# KiCad board Lon6Main.kicad_pcb (continued)
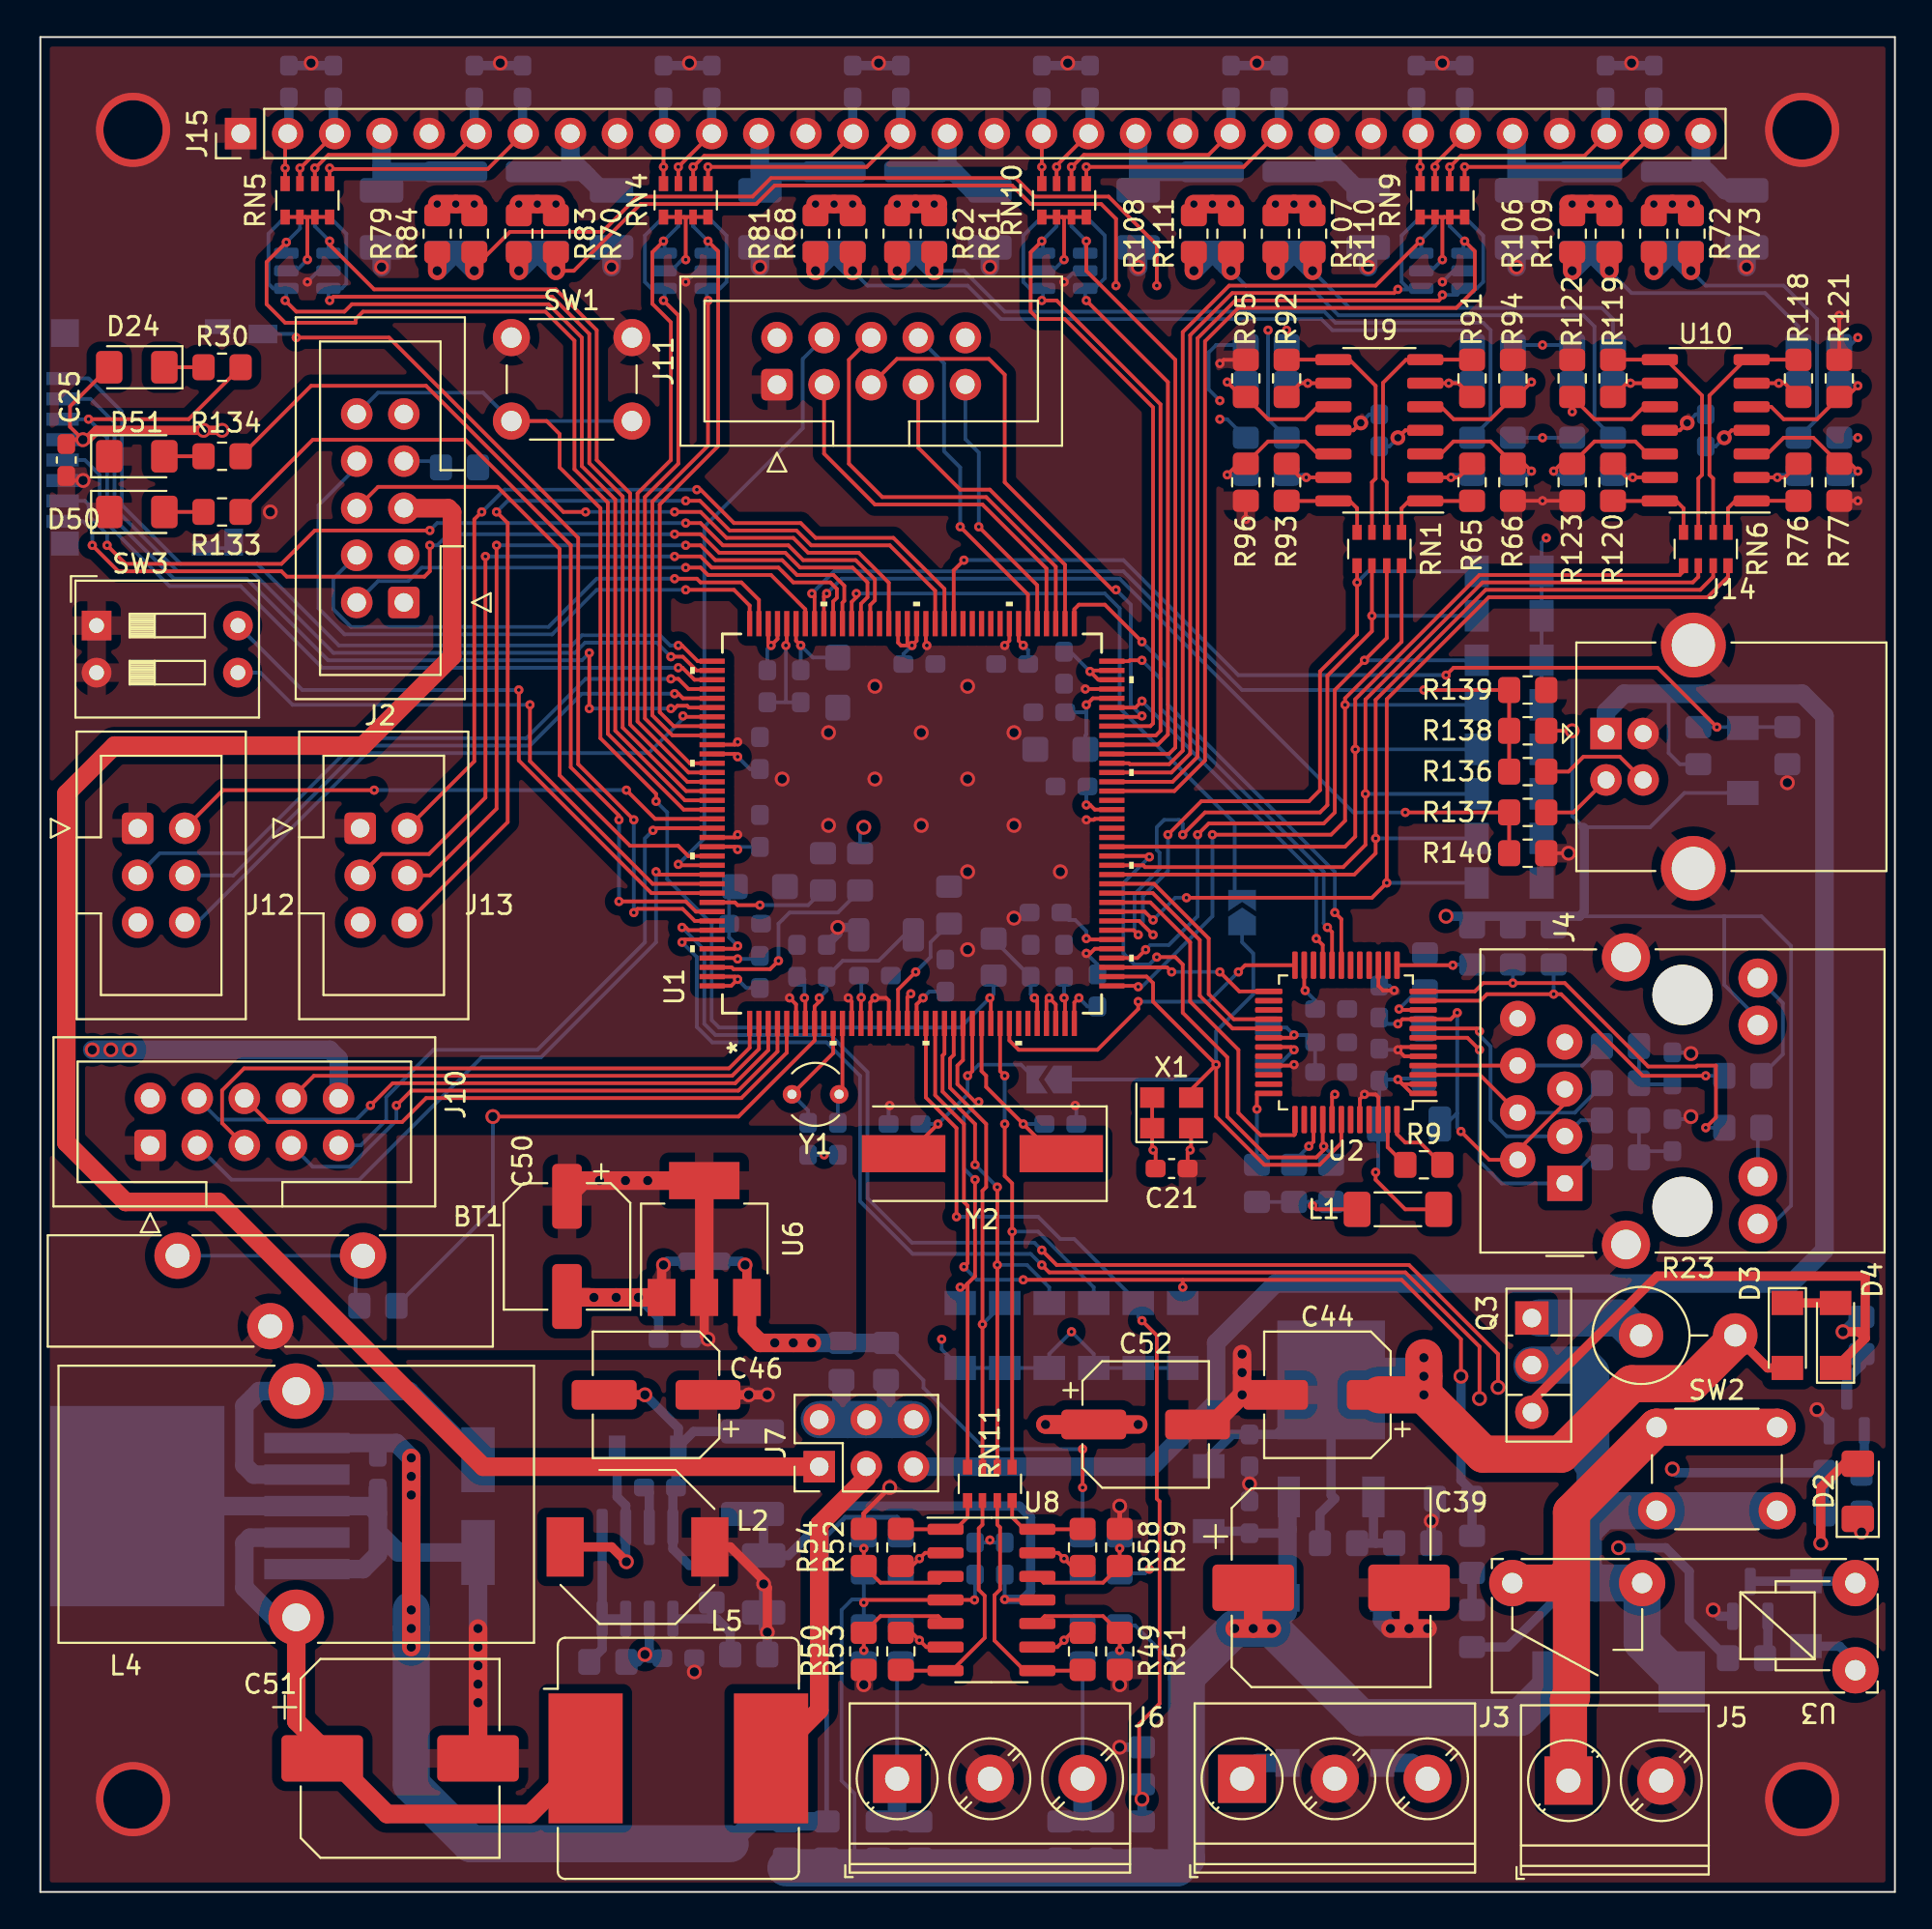
[diagram p0: board, top side]
## Routing (per net, layer and track width the routed paths; a pad name or vN(x,y) marks a point on that pad's centre or on a via; arc(x,y) is an arc through that point) (continued)
/SPI4_U1: length 37.7
  Top w0.2: v1(33.2,55) 33.35,54.85 U1.132
  Bottom w0.2: J10.3 10.31,38.4 17.2,38.4 23.8,45 27,45 33.2,51.2 v1(33.2,55)
/SPI4_U2: length 31.2
  Top w0.2: U1.127 33.15,57.35 v1(33.03,57.23)
  Bottom w0.2: v1(33.03,57.23) 32.6,56.8 32.6,51.2 26.8,45.4 21.2,45.4 18.65,42.85 18.65,41.62 17.28,40.25 J10.9
/SW_DIP_1: length 32.1
  Top w0.2: v1(26.4,64) 26.4,60.97 33.02,54.35 U1.133
  Bottom w0.2: v1(26.4,64) 13.6,64 11.86,65.73 SW3.3
/SW_DIP_2: length 33.8
  Top w0.2: U1.134 32.95,53.85 25.8,61 v1(25.8,64.8)
  Bottom w0.2: v1(25.8,64.8) 14.13,64.8 SW3.4
/TCK: length 29.6
  Top w0.2: U1.107 38.75,69.65 37.8,70.6 35.6,70.6 35.4,70.8 v1(34.2,70.8)
  Bottom w0.2: J2.4 15.8,70.8 15.8,69.15 16.75,68.2 27.4,68.2 30,70.8 v1(34.2,70.8)
/TDI: length 34.6
  Top w0.2: v1(34.8,70.2) 37.4,70.2 38.25,69.35 U1.108
  Bottom w0.2: v1(34.8,70.2) 30,70.2 27.6,67.8 16.4,67.8 15,69.2 15,74.76 17.06,76.82
/TDO: length 35
  Top w0.2: U1.130 34.94,55.85 34.39,56.4 31.8,56.4 28,60.2 28,72.4 24.65,75.75 18.21,75.75 J2.6
/TMS: length 26.7
  Top w0.2: v1(34.8,71.4) 35.6,71.4 36,71 39.4,71 41.25,69.15 U1.102
  Bottom w0.2: v1(34.8,71.4) 20.57,71.4 19.84,70.67 18.21,70.67 J2.2
/USART_RXD: length 43.1
  Top w0.2: v1(34.2,72) 35.6,72 36.2,71.4 39.8,71.4 40.6,70.6 42.6,70.6 42.95,70.25 42.95,69.77 42.75,69.57 U1.99 ; J13.3 18.4,55.95 20.95,55.95 24,59 v1(24,72)
  Bottom w0.2: v1(34.2,72) v1(24,72)
/USART_TXD: length 42.2
  Top w0.2: v1(24.6,72.6) 24.6,58.4 21,54.81 J13.4 ; U1.98 43.25,69.51 43.35,69.61 43.35,70.42 42.77,71 40.8,71 40,71.8 36.4,71.8 35.6,72.6 v1(34.8,72.6)
  Bottom w0.2: v1(34.8,72.6) v1(24.6,72.6)
/USART_U1: length 52.3
  Top w0.2: U1.88 48.25,70.15 45.8,72.6 41.57,72.6 40.77,73.4 37.17,73.4 35.57,75 v1(34.8,75) ; J13.6 25.2,57.68 25.2,73.8 v1(24.6,74.4)
  Bottom w0.2: v1(24.6,74.4) 25.2,75 v1(34.8,75)
/USART_U2: length 48.3
  Top w0.2: J13.2 23.4,60.96 23.4,74 v1(23.8,74.4) ; U1.87 48.75,70.25 46,73 41.8,73 41,73.8 37.4,73.8 35.6,75.6 v1(35.4,75.6)
  Bottom w0.2: v1(23.8,74.4) 23.82,74.4 25.02,75.6 v1(35.4,75.6)
/USB_DM: length 46.2
  Top w0.2: U1.100 42.25,69.85 v1(42.4,70) ; R140.2 R137.2 v1(73.6,58.2)
  Bottom w0.2: v1(42.4,70) 43.2,70.8 58.2,70.8 70.8,58.2 v1(73.6,58.2)
/USB_DP: length 46.8
  Top w0.2: v1(41.6,70) 41.75,69.85 U1.101 ; v1(74.6,64.8) R139.2 R138.1 R136.2
  Bottom w0.2: v1(41.6,70) 42.8,71.2 58.4,71.2 64.8,64.8 v1(74.6,64.8)
/USB_SENSE: length 53.1
  Top w0.2: v1(49.8,71.8) 49.25,71.25 U1.86 ; v1(90.4,62.8) 87.2,66 76.2,66 v1(75.8,65.6)
  Bottom w0.2: v1(49.8,71.8) 58.4,71.8 64.6,65.6 v1(75.8,65.6) ; R141.1 v1(90.4,62.8) R142.2
/V_SENSE_ACU: length 54.4
  Top w0.2: 61.6,33 73.4,33 76.6,29.8 v2(76.6,27.8) ; 61.6,33 v1(61.6,32.6) ; 61.6,33 v1(53,33) ; U1.21 48.25,42.95 49.8,41.4 49.8,37.2 50,37 50,33.9 v1(49.8,33.7)
  Bottom w0.2: D18.2 v1(61.6,32.6) ; v1(53,33) 50.5,33 v1(49.8,33.7)
  Bottom w0.5: v2(76.6,27.8) 76.6,22.2 77.2,21.6 R25.2 R24.1
/V_SENSE_MAIN: length 52.6
  Top w0.2: v1(49.4,36.4) 49.4,41.18 47.75,42.83 U1.20 ; v1(59.4,30.8) 60.2,30 60.2,21.2 60.35,21.05 60.35,10.15 59.25,9.05 59.25,5.15 v2(59.4,5)
  Bottom w0.2: v1(59.4,30.8) 59.2,31 D19.2 55.75,35.2 55,35.2 53.8,36.4 v1(49.4,36.4)
  Bottom w0.5: R26.1 v2(59.4,5) R29.2
/VCAP1: length 5.1
  Top w0.2: v1(56.4,64) 56.75,64.35 U1.68
  Bottom w0.2: C6.1 56.35,62.35 56.4,62.4 56.4,63.6 ; 56.4,63.6 v1(56.4,64) ; 56.4,63.6 C7.1
/VCAP2: length 5
  Top w0.2: v1(37.6,51) 37.45,50.85 U1.140
  Bottom w0.2: v1(37.6,51) 37.14,51.46 C11.1 37.14,53.89 C9.1
/VCAP3: length 4.9
  Top w0.2: v1(41,67.21) 40.75,67.46 U1.103
  Bottom w0.2: C13.1 v1(41,67.21) 41.66,66.55 C12.1
Net-(BT1-Pad1): length 12.8
  Bottom w0.2: 7,34.3 17,34.3 17,31.8 R2.1
Net-(C1-Pad1): length 20.9
  Top w0.2: v1(76.6,41) 78.13,39.47 J4.2 79.66,39.97 82.2,42.51 J4.5 ; v1(73.2,46.8) 73.45,47.05 U2.9 76.05,47.05 v1(76.4,47.4)
  Bottom w0.2: FB1.2 75.8,41.4 76.4,42 ; 76.4,42 76.4,41.2 v1(76.6,41) ; 76.4,42 v1(76.4,47.4) ; v1(73.2,46.8) 72.4,46.8 72.2,47 C1.1
Net-(C3-Pad2): length 6.6
  Top w0.2: Y1.2 42.75,45.22 U1.10
  Bottom w0.2: C3.2 41.4,42.13 Y1.2
Net-(C4-Pad2): length 5.5
  Top w0.2: Y1.1 43.25,43.18 U1.11
  Bottom w0.2: Y1.1 43,42.93 C4.2
Net-(C5-Pad1): length 2.5
  Top w0.2: v1(55.2,48.2) 55.25,48.15 U1.35
  Bottom w0.2: C5.1 v1(55.2,48.2)
Net-(C14-Pad2): length 13.9
  Top w0.2: Y2.2 46.8,39.8 v1(48.4,41.4) ; U1.25 50.25,44.25 v1(50,44)
  Bottom w0.2: C14.2 v1(48.4,41.4) 50,43 v1(50,44) 50.6,44.6 52.88,44.6 JP2.2
Net-(C19-Pad2): length 10.2
  Top w0.2: Y2.1 54.6,39.8 v1(53,41.4) 51,43.4 51,44 50.75,44.25 U1.26
  Bottom w0.2: C19.2 v1(53,41.4)
Net-(C35-Pad2): length 3.8
  Bottom w0.2: R12.1 R11.1 86.26,43.54 C35.2
Net-(C36-Pad2): length 3.9
  Bottom w0.2: R16.1 R15.1 86.54,39.94 C36.2
Net-(C42-Pad1): length 2.2
  Bottom w0.5: C42.1 32.83,21.51 32.83,19.68
Net-(C42-Pad2): length 18.2
  Top w0.5: C46.2 v2(32.6,26.8)
  Bottom w0.5: D8.2 34.28,23.88 34.28,21.8 34.11,21.63 34.11,18.5 35,17.6 R32.2 ; D8.2 34.4,25 v2(32.6,26.8) ; D8.2 35.22,24.83 L3.1
Net-(C45-Pad1): length 32.7
  Top w0.2: v1(56.2,21.8) v1(56.2,23.87)
  Top w0.5: v2(38,33.8) 38.1,33.7 U6.3
  Top w1: v2(41.6,29.6) v2(40.6,29.6) v2(39.6,29.6) 38.8,29.6 38.1,30.3 U6.3
  Bottom w0.2: R41.2 47.62,27.58 47.62,27.18 50.93,23.87 v1(56.2,23.87) ; R48.1 v1(56.2,21.8)
  Bottom w0.5: v2(38,33.8) 37.8,34 C45.1
  Bottom w1: v2(39.6,29.6) R42.2 R41.2
Net-(C47-Pad1): length 72.5
  Top w1: v2(20,13.2) v2(20,23.4)
  Bottom w0.25: R46.1 46.4,20 46.2,20.2 43.4,20.2 42.4,19.2 R39.2
  Bottom w1: U7.1 19.2,24.2 v2(20,23.4) v2(20,22.4) v2(20,21.4) ; R39.2 R40.2 38.4,3.8 37.2,2.6
  Bottom w2: 37.2,2.6 23.2,2.6 20,5.8 v2(20,13.2) v2(20,14.2) v2(20,15.2)
Net-(C51-Pad1): length 34.2
  Top w1: L5.1 26.4,4.2 18.7,4.2 15.7,7.2 C51.1 15.2,7.8 13.8,9.2 L4.2
  Bottom w1: L4.2 12.6,14.8 11,16.4 11,18.8 11.3,19.1 U7.4
Net-(D1-Pad2): length 5.4
  Bottom w0.5: 97.56,16.75 D1.2 92.21,16.75 Q1.3
Net-(D2-Pad1): length 1.8
  Top w0.5: D2.1 98,19.6 v2(98.2,19.4)
  Bottom w0.5: R21.2 v2(98.2,19.4)
Net-(D3-Pad1): length 2.6
  Top w0.5: D4.2 D3.1
Net-(D4-Pad1): length 29.6
  Top w0.5: 98.4,29.85 98.4,33.2 87.18,33.2 80.43,26.45 Q3.3 ; 98.4,29.85 98.05,30.2 v2(97.2,30.2) ; 98.4,29.85 D4.1
  Bottom w0.5: R22.2 98,31 v2(97.2,30.2)
Net-(D5-Pad3): length 2.8
  Bottom w1: J3.3 73.95,6.95 D5.3
Net-(D5-Pad4): length 2.8
  Bottom w1: D5.4 65.65,6.95 J3.1
Net-(D7-Pad2): length 47.5
  Bottom w0.5: 83.83,23 83.83,17.92 79.11,13.2 R57.2
  Bottom w2: D7.2 86.37,13.45 U3.3 83.83,16.65 83.19,17.28 83.19,19.5 84.25,20.55 ; SW2.2 SW2.2 84.25,20.55 ; Q3.2 83.2,28.4 83.6,28 83.6,23.23 83.83,23 83.83,20.97 84.25,20.55
Net-(D8-Pad1): length 10
  Top w0.5: v2(31.6,17.8) 30.8,18.6 L2.1
  Bottom w0.5: D8.1 31.1,21.3 31.56,20.84 31.56,18.03 31.6,18 v2(31.6,17.8)
Net-(D9-Pad1): length 21.2
  Bottom w1: D9.1 19.9,27 L4.1 11.8,27 11,26.2 11,23 11.5,22.5 U7.2
Net-(D24-Pad1): length 2.1
  Top w0.2: R30.1 D24.1
Net-(D50-Pad2): length 2.1
  Top w0.2: R133.1 D50.2
Net-(D51-Pad2): length 2.1
  Top w0.2: R134.1 D51.2
Net-(J2-Pad7): length 2.1
  Bottom w0.2: J2.7 21.26,77.14 R3.1
Net-(J4-PadL2): length 2.7
  Bottom w0.2: R14.2 92.61,41.01 J4.L2
Net-(J4-PadL4): length 6.3
  Bottom w0.2: R13.2 93.96,45.16 93.96,47.92 J4.L4
Net-(J5-Pad1): length 31
  Top w2: J5.1 82.4,10.36 82.56,10.52 82.56,17.28 ; 82.56,17.28 82.56,20.46 SW2.1 SW2.1 ; 82.56,17.28 81.93,16.65 U3.4
Net-(J6-Pad1): length 10.9
  Bottom w0.2: R44.1 46.2,12.17 J6.1
  Bottom w1: R35.1 46.4,3.8 ; 46.4,3.8 R36.1 ; 46.4,3.8 46.2,4 J6.1
Net-(J6-Pad3): length 10.8
  Bottom w0.2: R18.1 J6.3
  Bottom w1: J6.3 56.2,3.8 ; 56.2,3.8 R38.1 ; 56.2,3.8 R37.1
Net-(J7-Pad3): length 17.9
  Top w1: L5.2 42,9.8 42,19.8 44.54,22.34 J7.3
Net-(J14-Pad2): length 3.9
  Top w0.2: J14.2 82.67,58.2 R137.1
Net-(J14-Pad3): length 6.1
  Top w0.2: R136.1 82.4,60.4 83.2,61.2 85.17,61.2 J14.3
Net-(L6-Pad1): length 42.4
  Top w1: R62.1 v2(46.2,87.4) ; R61.1 v2(48.2,87.4)
  Bottom w0.2: R64.1 78.2,79.4 78.2,84.2 77.8,84.6 69.83,84.6 69.23,85.2 52,85.2 49.8,87.4 v2(48.2,87.4)
  Bottom w1: 47.2,88.4 v2(48.2,87.4) ; 47.2,88.4 L6.1 ; 47.2,88.4 v2(46.2,87.4)
Net-(L7-Pad1): length 19.6
  Top w1: R73.1 v2(89,87.4) ; R72.1 v2(87,87.4)
  Bottom w0.2: v2(89,87.4) 89.8,86.6 94,86.6 95.8,84.8 95.8,79.4 R75.1
  Bottom w1: 88,88.4 v2(87,87.4) ; 88,88.4 v2(89,87.4) ; 88,88.4 L7.1
Net-(L8-Pad1): length 40.3
  Top w1: R68.1 v2(43.8,87.4) ; R81.1 v2(41.8,87.4)
  Bottom w0.2: R86.1 77.2,84 77,84.2 69.67,84.2 69.07,84.8 51.8,84.8 50,86.6 44.6,86.6 v2(43.8,87.4)
  Bottom w1: 42.8,88.4 v2(43.8,87.4) ; 42.8,88.4 v2(41.8,87.4) ; 42.8,88.4 L8.1
Net-(L9-Pad1): length 52.8
  Top w0.2: v1(58,86.6) 58,90.2 57.2,91 53.4,91 52.4,92 39.6,92 38.6,91 32.37,91 28.77,87.4 v2(27.8,87.4)
  Top w1: R83.1 v2(25.8,87.4) ; R70.1 v2(27.8,87.4)
  In1.Cu w0.2: v1(67.2,84.2) 66.65,83.65 60.95,83.65 v1(58,86.6)
  Bottom w0.2: R88.1 v1(67.2,84.2)
  Bottom w1: L9.1 26.8,88.4 ; 26.8,88.4 v2(27.8,87.4) ; 26.8,88.4 v2(25.8,87.4)
Net-(L10-Pad1): length 60.8
  Top w0.2: v2(23.4,87.4) 23.4,87.58 25.32,89.5 30.3,89.5 32.2,91.4 38.4,91.4 39.4,92.4 52.6,92.4 53.6,91.4 57.6,91.4 60.2,88.8 v1(60.2,86.6)
  Top w1: R84.1 v2(23.4,87.4) ; R79.1 v2(21.4,87.4)
  In1.Cu w0.2: v1(60.2,86.6) 62.6,84.2 v1(66.2,84.2)
  Bottom w0.2: R90.1 66.2,79.4 v1(66.2,84.2)
  Bottom w1: L10.1 22.4,88.4 ; 22.4,88.4 v2(21.4,87.4) ; 22.4,88.4 v2(23.4,87.4)
Net-(L11-Pad1): length 17.3
  Top w1: R109.1 v2(84.6,87.4) ; R106.1 v2(82.6,87.4)
  Bottom w0.2: v2(84.6,87.4) 85.8,86.2 93,86.2 94.8,84.4 R113.1
  Bottom w1: 83.6,88.4 v2(82.6,87.4) ; 83.6,88.4 v2(84.6,87.4) ; 83.6,88.4 L11.1
Net-(L12-Pad1): length 23.6
  Top w1: R110.1 v2(68.6,87.4) ; R107.1 v2(66.6,87.4)
  Bottom w0.2: R115.1 84.8,84.8 84.2,85.4 70.6,85.4 v2(68.6,87.4)
  Bottom w1: 67.6,88.4 v2(66.6,87.4) ; 67.6,88.4 L12.1 ; 67.6,88.4 v2(68.6,87.4)
Net-(L13-Pad1): length 32.1
  Top w1: R108.1 v2(62.2,87.4) ; R111.1 v2(64.2,87.4)
  Bottom w0.2: R117.1 83.8,79.4 83.8,84.4 83.2,85 70,85 68.4,86.6 65,86.6 v2(64.2,87.4)
  Bottom w1: 63.2,88.4 v2(62.2,87.4) ; 63.2,88.4 v2(64.2,87.4) ; 63.2,88.4 L13.1
Net-(Q1-Pad1): length 2.3
  Bottom w0.5: Q1.1 93.15,12.75 R19.1
Net-(Q2-Pad1): length 2.3
  Bottom w0.5: Q2.1 98.35,22.75 R20.1
Net-(Q2-Pad3): length 2.6
  Bottom w0.5: Q2.3 97.4,27.6 98.2,28.4 R22.1
Net-(Q3-Pad1): length 5.7
  Bottom w2: 86.11,30 85.17,30.94 80.82,30.94
Net-(R4-Pad1): length 10.9
  Top w0.2: U1.142 37.27,49.85 37.37,49.75 39.35,49.75 v1(39.8,50.2)
  Bottom w0.2: R4.1 43,52.8 40.4,52.8 39.8,52.2 v1(39.8,50.2)
Net-(R5-Pad1): length 6.4
  Top w0.2: v1(38.8,53.2) 37.6,53.2 37.45,53.35 U1.135
  Bottom w0.2: R5.1 41.4,53.2 v1(38.8,53.2)
Net-(R7-Pad2): length 3.1
  Top w0.2: v1(73.26,47.6) 73.31,47.55 U2.10
  Bottom w0.2: R7.2 74.26,48.6 v1(73.26,47.6)
Net-(R8-Pad2): length 2.9
  Top w0.2: v1(68.4,40.2) 68.65,40.45 U2.39
  Bottom w0.2: v1(68.4,40.2) 67.6,39.4 R8.2
Net-(R9-Pad1): length 2.8
  Top w0.2: U2.47 72.65,40.15 R9.1
Net-(R9-Pad2): length 3.9
  Top w0.2: R9.2 74.4,40.4 73.6,40.4 73.15,40.85 U2.48
Net-(R10-Pad1): length 3.2
  Top w0.2: v1(67.6,45.4) 67.45,45.55 U2.31
  Bottom w0.2: R10.1 66.8,44.6 v1(67.6,45.4)
Net-(R17-Pad2): length 6.6
  Top w0.2: U8.10 54.16,14.87 57.3,14.87 R51.1 v1(58.2,13.02)
  Bottom w0.2: v1(58.2,13.02) R17.2
Net-(R18-Pad2): length 4.1
  Top w0.2: R49.1 55.6,13.97 v1(55.2,13.57) 54.83,13.2 U8.9
  Bottom w0.2: v1(55.2,13.57) 56,14.37 R18.2
Net-(R24-Pad2): length 2
  Bottom w0.5: R57.1 R24.2
Net-(R27-Pad1): length 4.5
  Bottom w0.5: 72,18.8 71.88,18.92 U4.1 ; 72,18.8 R28.2 ; 72,18.8 R27.1
Net-(R31-Pad2): length 8.8
  Bottom w0.5: U5.7 U5.8 ; U5.8 30.3,19.68 ; U5.8 30.3,13.09 R31.2
Net-(R32-Pad1): length 5.5
  Bottom w0.5: 36.12,14.72 36.47,14.72 37.2,14 R34.2 ; 36.12,14.72 36.2,14.8 R32.1 ; 36.12,14.72 U5.5
Net-(R43-Pad2): length 6.5
  Top w0.2: v1(44.4,13.02) R53.1 45.3,14.87 48.41,14.87 U8.5
  Bottom w0.2: R43.2 v1(44.4,13.02)
Net-(R44-Pad2): length 4.1
  Top w0.2: R50.1 47,13.97 v1(47.4,13.57) 47.77,13.2 U8.6
  Bottom w0.2: R44.2 46.6,14.37 v1(47.4,13.57)
Net-(R45-Pad2): length 6.5
  Top w0.2: U8.3 48.47,16.67 45.3,16.67 R54.1 v1(44.4,18.52)
  Bottom w0.2: v1(44.4,18.52) R45.2
Net-(R46-Pad2): length 4
  Top w0.2: R52.1 47,17.57 v1(47.4,17.97) 47.71,18.28 U8.2
  Bottom w0.2: R46.2 46.6,17.17 v1(47.4,17.97)
Net-(R47-Pad2): length 6.6
  Top w0.2: v1(58.2,18.52) R59.1 57.3,16.67 54.1,16.67 U8.12
  Bottom w0.2: R47.2 v1(58.2,18.52)
Net-(R48-Pad2): length 4.1
  Top w0.2: U8.13 54.89,18.28 v1(55.2,17.97) 55.6,17.57 R58.1
  Bottom w0.2: R48.2 56,17.17 v1(55.2,17.97)
Net-(R49-Pad2): length 13.2
  Top w0.2: RN11.3 51.6,19.8 51.75,19.65 51.75,16.3 51.45,16 51.45,13.55 53.07,11.93 U8.8 56.16,11.93 R49.2
Net-(R50-Pad2): length 12.9
  Top w0.2: RN11.2 50.8,19.8 50.6,19.6 50.6,16.29 50.92,15.97 50.92,13.7 49.15,11.93 U8.7 46.44,11.93 R50.2
Net-(R52-Pad2): length 4.8
  Top w0.2: R52.2 46.42,19.55 U8.1 49.35,19.55 50,20.2 RN11.1
Net-(R58-Pad2): length 5
  Top w0.2: R58.2 56.18,19.55 U8.14 53.05,19.55 52.4,20.2 RN11.4
Net-(R60-Pad2): length 4.5
  Top w0.2: U2.36 65.65,43.05 65.6,43 v1(65.6,42.2)
  Bottom w0.2: v1(65.6,42.2) R60.2
Net-(R63-Pad2): length 7.7
  Top w0.2: 74.68,77.53 75.53,77.53 76.2,78.2 78.2,78.2 R66.1 80,77 v1(80.4,76.6)
  Bottom w0.2: R63.2 80.2,76.4 v1(80.4,76.6)
Net-(R64-Pad2): length 4
  Top w0.2: 74.68,76.26 v1(76.06,76.26) 76.46,76.26 R65.1
  Bottom w0.2: R64.2 76.2,76.4 v1(76.06,76.26)
Net-(R65-Pad2): length 5.3
  Top w0.2: R65.2 77.19,74.99 73.79,74.99 73.4,74.6 RN1.1
Net-(R74-Pad2): length 7.9
  Top w0.2: v1(98,76.6) 97.6,77 R77.1 95.6,78.4 94,78.4 93.13,77.53 U10.3
  Bottom w0.2: v1(98,76.6) 97.8,76.4 R74.2
Net-(R75-Pad2): length 4
  Top w0.2: U10.2 v1(93.66,76.26) 94.06,76.26 R76.1
  Bottom w0.2: R75.2 93.8,76.4 v1(93.66,76.26)
Net-(R76-Pad2): length 5.3
  Top w0.2: RN6.1 91,74.6 91.39,74.99 U10.1 92.28,75 R76.2
Net-(R85-Pad2): length 7.8
  Top w0.2: 74.68,80.07 75.53,80.07 76.2,79.4 78.2,79.4 R94.1 79.6,80.6 v1(80.4,81.4)
  Bottom w0.2: R85.2 v1(80.4,81.4)
Net-(R86-Pad2): length 4.1
  Top w0.2: 74.68,81.34 v1(75.94,81.34) 76.46,81.34 R91.1
  Bottom w0.2: v1(75.94,81.34) 76,81.4 R86.2
Net-(R87-Pad2): length 7.8
  Top w0.2: v1(64,81.4) 64.8,80.6 R95.1 66.2,79.4 68.2,79.4 68.87,80.07 U9.10
  Bottom w0.2: R87.2 v1(64,81.4)
Net-(R88-Pad2): length 4
  Top w0.2: U9.9 v1(68.34,81.34) 67.94,81.34 R92.1
  Bottom w0.2: R88.2 68.28,81.4 v1(68.34,81.34)
Net-(R89-Pad2): length 7.7
  Top w0.2: v1(64,76.4) 64.6,77 R96.1 66.2,78.2 68.2,78.2 68.87,77.53 U9.12
  Bottom w0.2: R89.2 v1(64,76.4)
Net-(R90-Pad2): length 3.9
  Top w0.2: R93.1 67.94,76.26 v1(68.26,76.26) U9.13
  Bottom w0.2: R90.2 68.12,76.4 v1(68.26,76.26)
Net-(R91-Pad2): length 13.5
  Top w0.2: R91.2 77.19,82.61 74.01,82.61 74,82.6 73.63,82.6 72.4,81.37 72.4,76.2 72.6,76 RN1.2
Net-(R92-Pad2): length 13.4
  Top w0.2: R92.2 67.21,82.61 U9.8 70.59,82.61 72,81.2 72,76.2 71.8,76 RN1.3
Net-(R93-Pad2): length 5.3
  Top w0.2: R93.2 67.21,74.99 U9.14 70.61,74.99 71,74.6 RN1.4
Net-(R112-Pad2): length 7.8
  Top w0.2: U10.5 93.33,80.07 94,79.4 95.8,79.4 R121.1 97.4,80.6 v1(98,81.2)
  Bottom w0.2: v1(98,81.2) 97.8,81.4 R112.2
Net-(R113-Pad2): length 3.9
  Top w0.2: U10.6 v1(93.74,81.34) 94.06,81.34 R118.1
  Bottom w0.2: R113.2 93.8,81.4 v1(93.74,81.34)
Net-(R114-Pad2): length 7.9
  Top w0.2: v1(82.6,79.8) R122.1 83.8,79.4 85.8,79.4 86.47,80.07 87.32,80.07
  Bottom w0.2: R114.2 v1(82.6,79.8)
Net-(R115-Pad2): length 3.8
  Top w0.2: 87.32,81.34 v1(85.74,81.34) 85.54,81.34 R119.1
  Bottom w0.2: v1(85.74,81.34) 85.68,81.4 R115.2
Net-(R116-Pad2): length 7.7
  Top w0.2: v1(81.6,76.6) 82,77 R123.1 83.8,78.2 86,78.2 86.67,77.53 87.32,77.53
  Bottom w0.2: v1(81.6,76.6) 81.8,76.4 R116.2
Net-(R117-Pad2): length 3.9
  Top w0.2: R120.1 85.54,76.26 v1(85.86,76.26) 87.32,76.26
  Bottom w0.2: R117.2 85.72,76.4 v1(85.86,76.26)
Net-(R118-Pad2): length 13.1
  Top w0.2: R118.2 94.79,82.61 U10.7 91.93,82.61 90,80.68 90,76.4 90.2,76.2 RN6.2
Net-(R119-Pad2): length 13.1
  Top w0.2: R119.2 84.81,82.61 87.67,82.61 89.6,80.68 89.6,76.4 89.4,76.2 RN6.3
Net-(R120-Pad2): length 5.3
  Top w0.2: RN6.4 88.6,74.6 88.21,74.99 84.81,74.99 R120.2
Net-(R135-Pad2): length 6.5
  Top w0.2: U1.17 46.25,48.65 v1(47.2,49.6)
  Bottom w0.2: v1(47.2,49.6) 48,50.4 48,51.2 R135.2

## Copper pours and planes (outline as drawn; the poured copper is in the pictures)
+5V on In1.Cu: 100,0 0,0 0,100 100,100
GND on Top: 100,0 0,0 0,100 100,100
GND on Bottom: 100,0 0,0 0,100 100,100
GND on In2.Cu: 100,0 0,0 0,100 100,100
VDD on Top: 44,29.2 19.2,29.2 19.2,40.8 44,40.8
VDD on In1.Cu: 65.4,71.6 77.2,71.6 77.2,37.4 64.8,29.2 5.6,29.2 5.6,84.4 52.6,84.4
